# Altium PCB ThereMightBeNoise.PcbDoc (part 1 of 3) (continued)
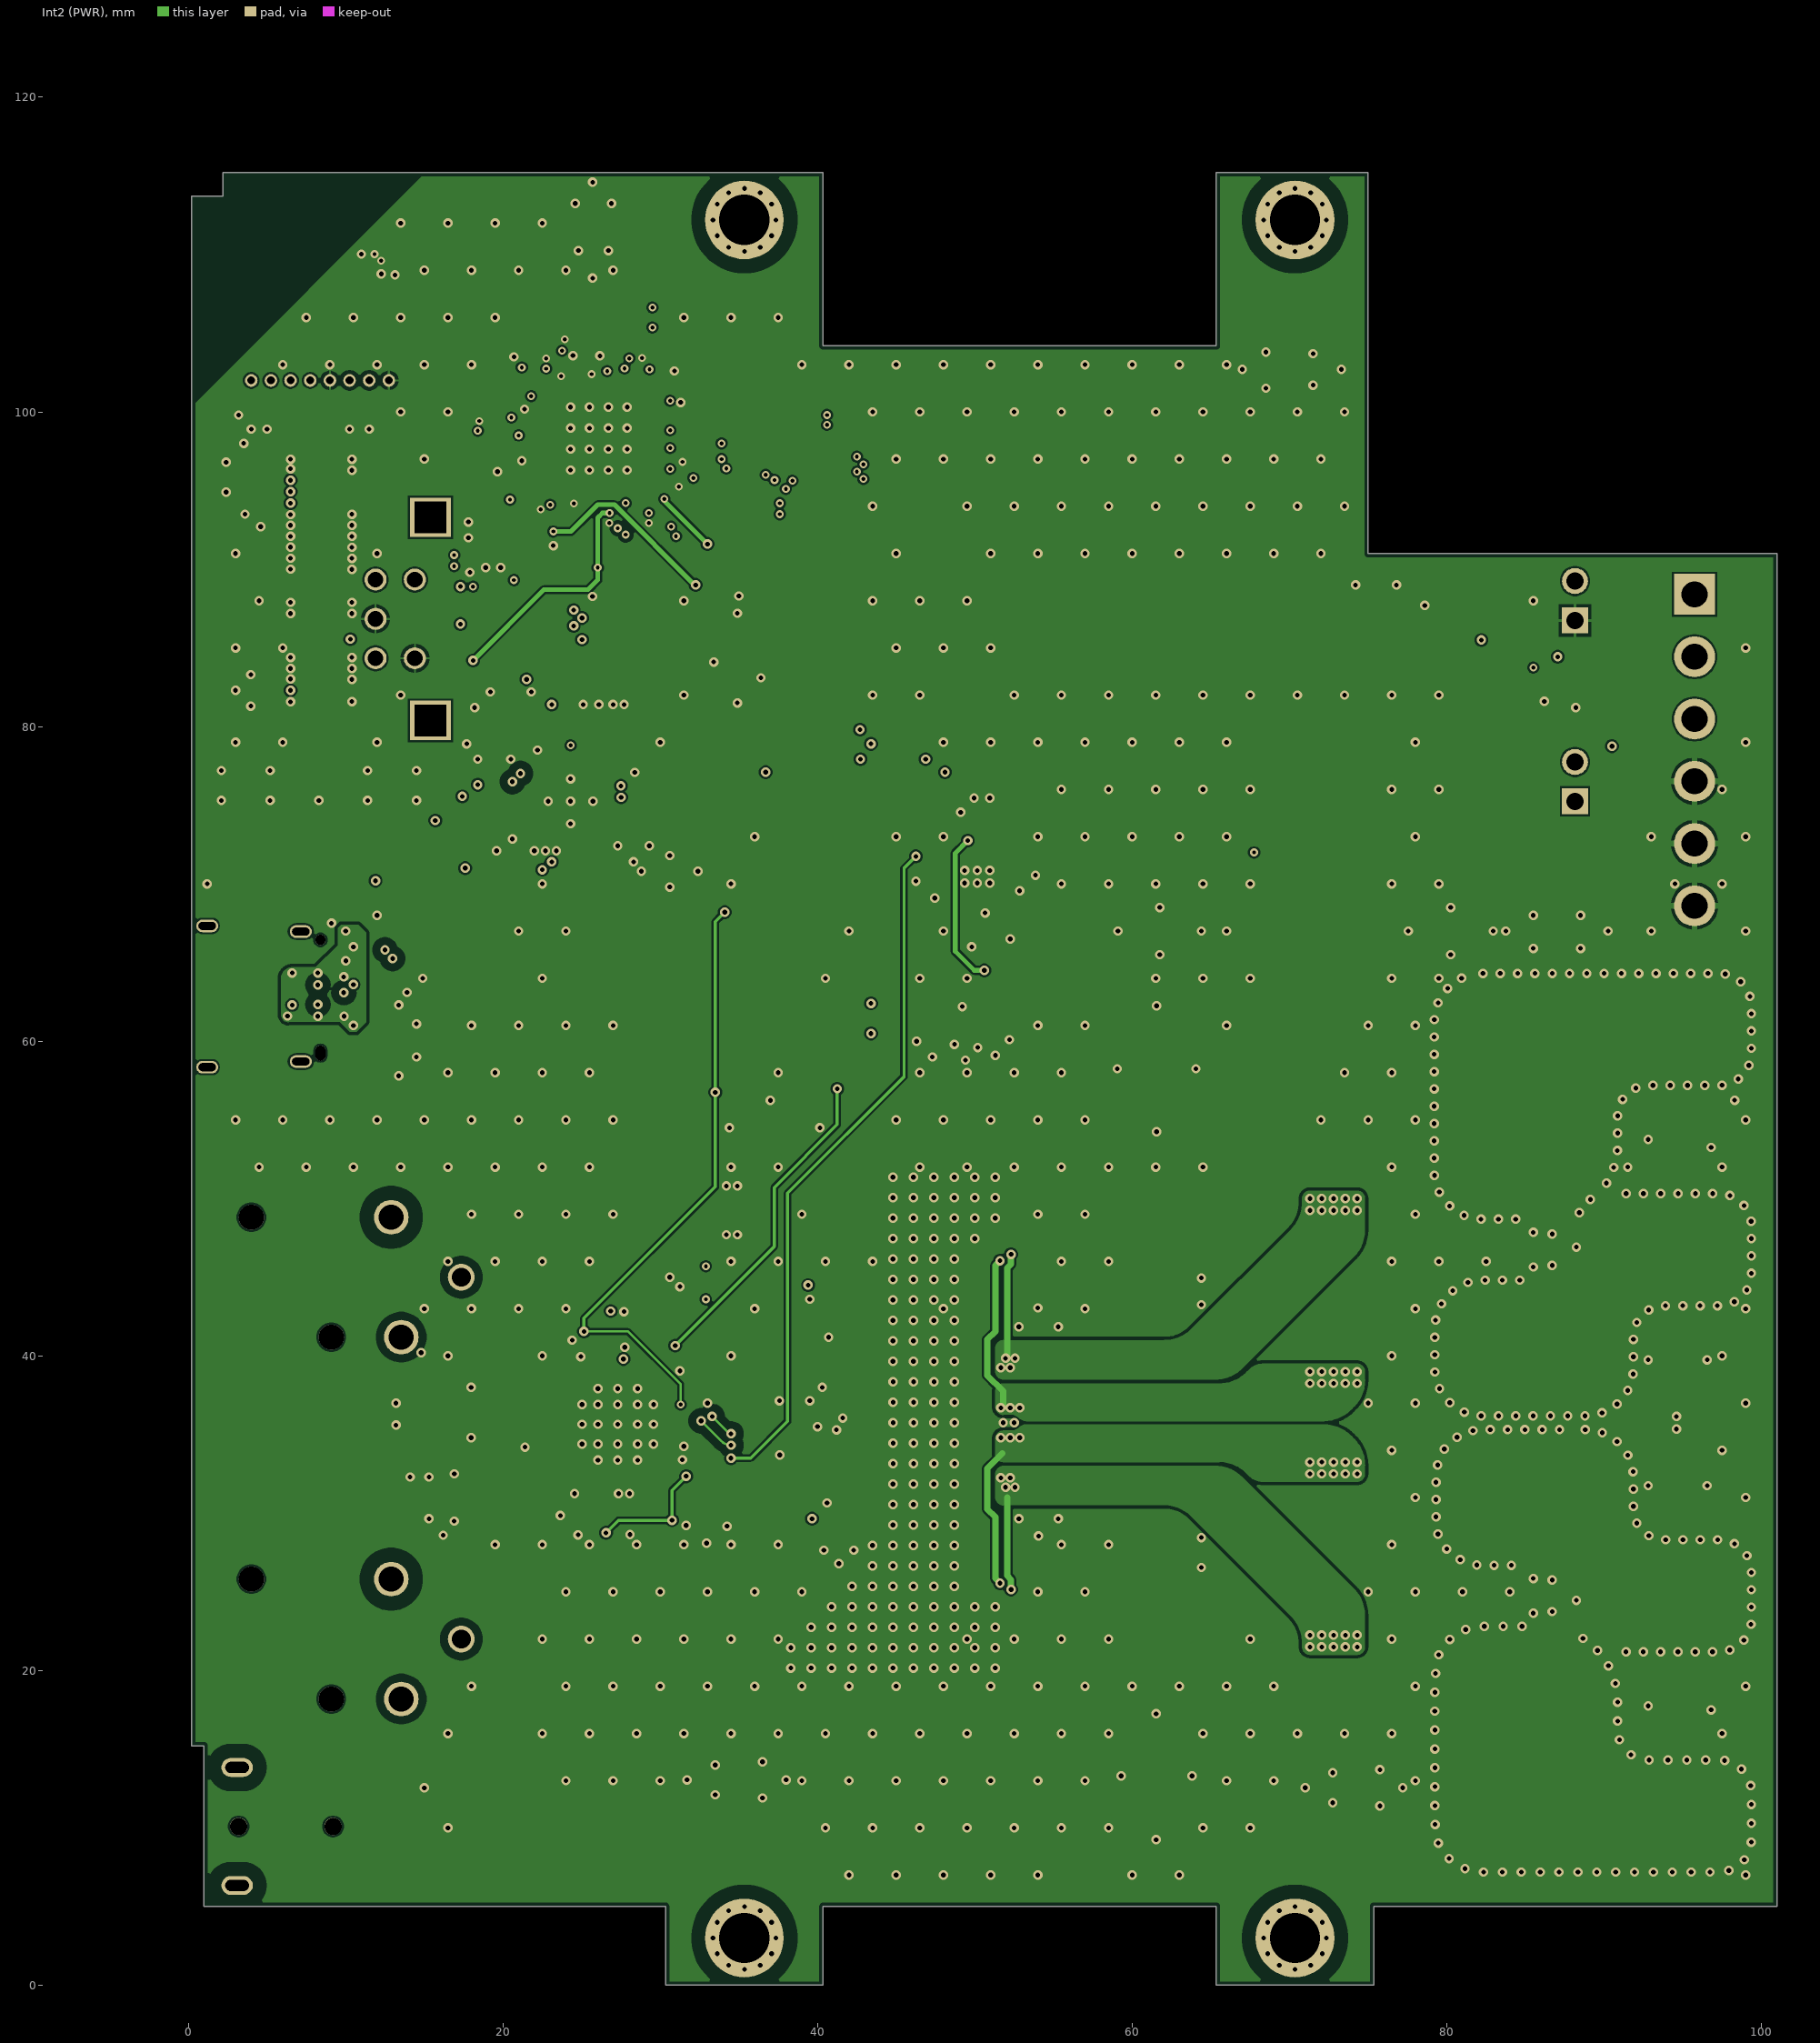
[diagram p3: Int2 (PWR)]
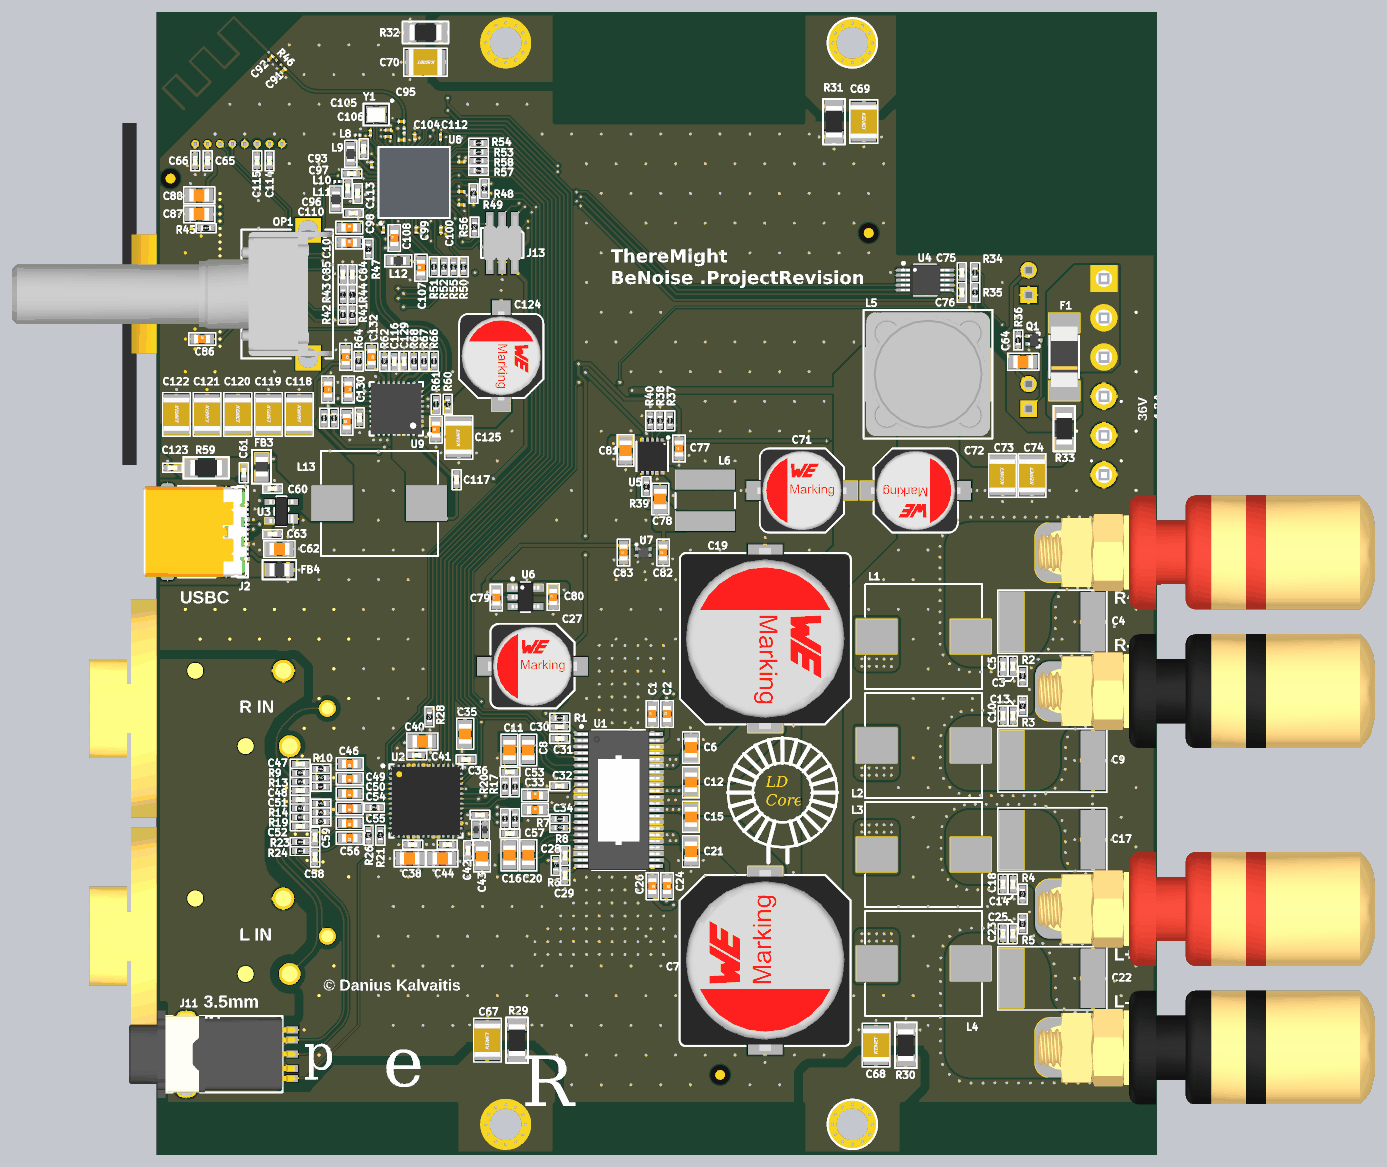
[diagram p6: 3D render of the assembled board from above, using the file's embedded part models]
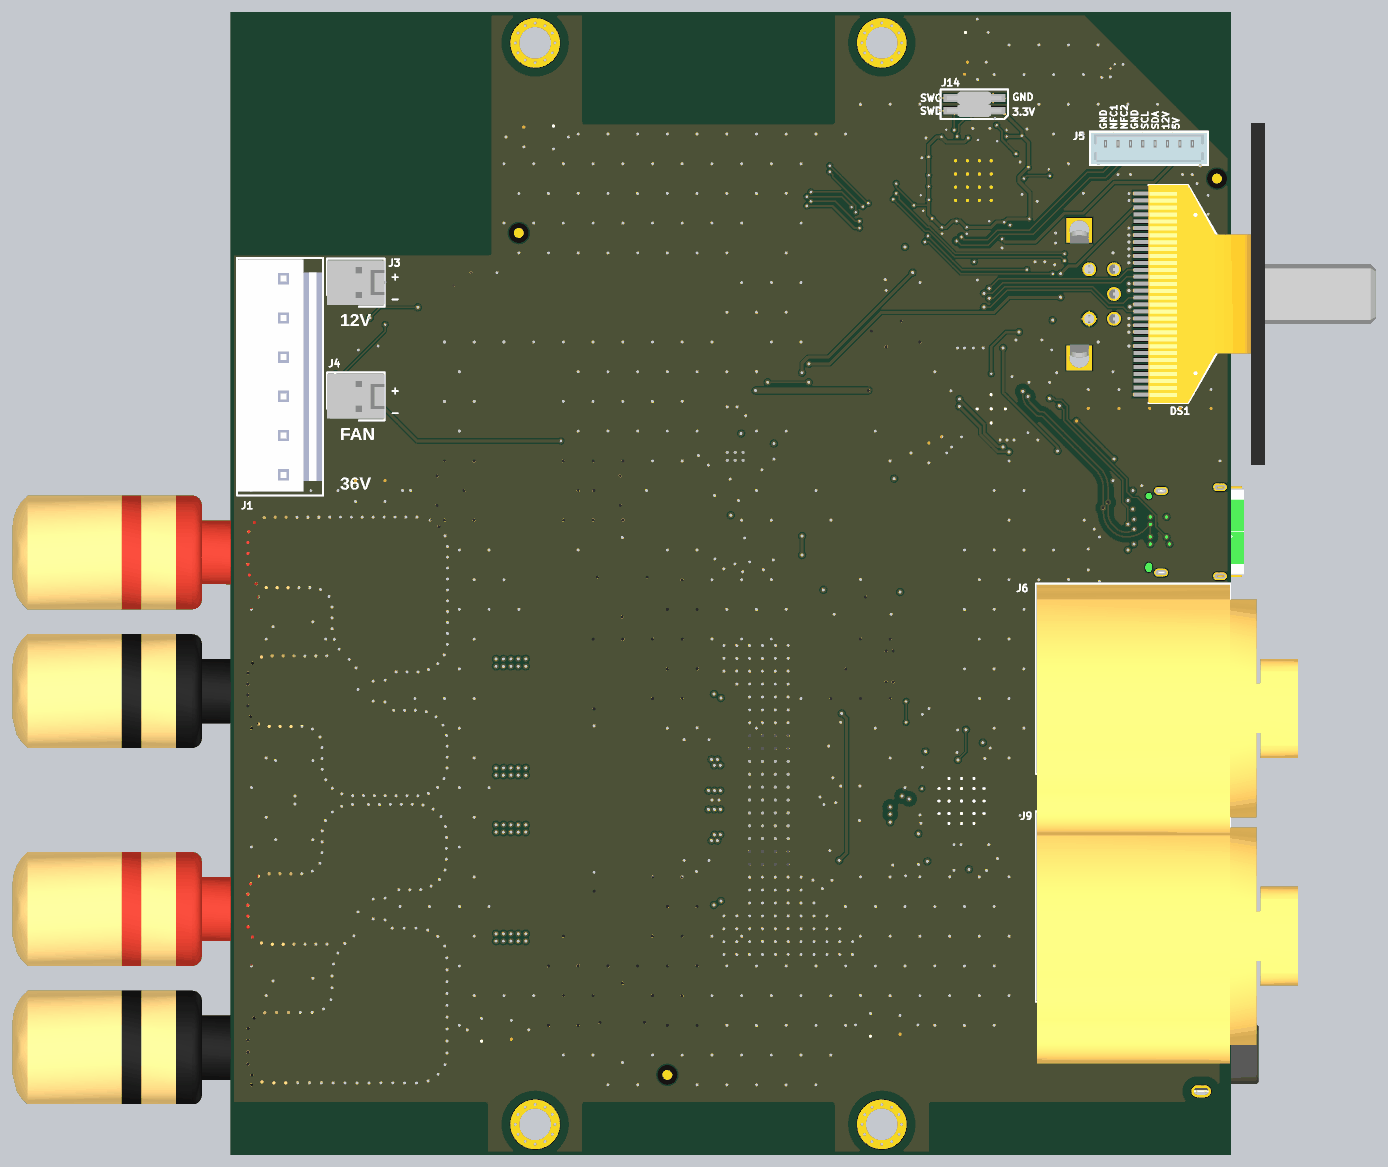
[diagram p7: 3D render of the assembled board from below, using the file's embedded part models]

## Layer stack, top to bottom
Top Solder: solder mask 0.025, SM-001, Dk 4
Top Layer: signal copper 0.018
Dielectric 1-2: prepreg 0.11, PP-017, Dk 4.29
Int1 (GND): signal copper 0.035
Dielectric 2-3: core 0.73, Core-039, Dk 3.96
Int2 (PWR): signal copper 0.035
Dielectric 3-4: prepreg 0.11, PP-017, Dk 4.29
Bottom Layer: signal copper 0.018
Bottom Solder: solder mask 0.025, SM-001, Dk 4

## Board outline
30.35,0 30.35,5 1,5 1,15.2 0.2,15.2 0.2,68.74 0.2,113.7 2.2,113.7 2.2,115.2 40.35,115.2 40.35,104.2 65.35,104.2 65.35,115.2 75,115.2 75,91 101,91 101,5 75.35,5 75.35,0 65.35,0 65.35,5 40.35,5 40.35,0

## Design rules (kind name [scope] priority, off if disabled: settings)
BoardOutlineClearance [All] p1: gap=0.25 ignorepadtopadclearanceinfootprint=FALSE except(0: Arc-SplitContinuation Track-SplitContinuation SMDPad-SplitContinuation THPad-SplitContinuation Via-SplitContinuation Fill-SplitContinuation Poly-SplitContinuation Region-SplitContinuation Text-SplitContinuation)
Clearance Clearance_GND_Chassis [InNetClass('Chassis') vs Not (IsPad And (Not PadIsPlated))] p1: gap=0.9 ignorepadtopadclearanceinfootprint=TRUE except(0.4: Arc-Arc Arc-Track Arc-SMDPad Track-Track Track-SMDPad; 0.5: Arc-THPad Arc-Hole Track-THPad Track-Hole)
Clearance Clearance_Differential [(InDifferentialPairClass('All Differential Pairs'))] p2: gap=0.5 ignorepadtopadclearanceinfootprint=TRUE except(0.09: Arc-Via Track-Via; 0.15: Via-Via; 0.2: Arc-Arc Arc-Track Track-Track; 0.3: Arc-SMDPad Track-SMDPad)
Clearance Clearance_NFC [InNetClass('NFC') vs InNet('GND')] p3: gap=0.25 ignorepadtopadclearanceinfootprint=TRUE except(0.1: Via-Via; 0.125: Arc-Via Track-Via)
Clearance Clearance_RF [InNetClass('RF')] p4: gap=0.15 ignorepadtopadclearanceinfootprint=FALSE
Clearance Clearance_Int_GND [ExistsOnLayer('Int1 (GND)') And IsCopperRegion vs IsKeepOut] p5: gap=0.9 ignorepadtopadclearanceinfootprint=TRUE except(0.4: Arc-Arc Arc-Track Arc-SMDPad Track-Track Track-SMDPad; 0.5: Arc-THPad Arc-Hole Track-THPad Track-Hole)
Clearance Clearance_Digital [(InNetClass('DIGITAL_SIGNALS') OR InNetClass('I2C') OR InNetClass('I2S') OR InNetClass('OLED')) vs (InNetClass('DIGITAL_SIGNALS') OR InNetClass('I2C') OR InNetClass('I2S') OR InNetClass('OLED'))] p6 off: gap=0.3 ignorepadtopadclearanceinfootprint=TRUE except(0.15: Arc-SMDPad Arc-Via Arc-Fill Arc-Poly Arc-Region Arc-Hole Track-SMDPad Track-Via Track-Fill Track-Poly Track-Region Track-Hole SMDPad-Via Via-Via Via-Hole)
Clearance [All] p7: gap=0.127 ignorepadtopadclearanceinfootprint=FALSE except(0.076: Arc-Track Arc-SMDPad Arc-Via Track-Track Track-SMDPad Track-Via; 0.2: Poly-Poly)
DiffPairsRouting [All] p1: maxlimit=0.4 minlimit=0.127 mostfreqgap=0.32 toplayer_minwidth=0.148 toplayer_maxwidth=0.15 toplayer_prefwidth=0.15 midlayer1_minwidth=0.085 midlayer1_maxwidth=0.15 midlayer1_prefwidth=0.15 midlayer2_minwidth=0.085 midlayer2_maxwidth=0.15 midlayer2_prefwidth=0.15 bottomlayer_minwidth=0.148 bottomlayer_maxwidth=0.15 bottomlayer_prefwidth=0.15 maxuncoupledlength=15
Height [All] p1: minheight=0 maxheight=127 prefheight=12.7
HoleSize [All] p1: absolutevalues=TRUE maxlimit=6.5 minlimit=0.25 maxpercent=80.000 minpercent=20.000
HoleToHoleClearance HoleToHoleClearance_Vias [IsVia vs IsVia] p1: gap=0.203 allowstackedmicrovias=FALSE
HoleToHoleClearance [All] p2: gap=0.25 allowstackedmicrovias=FALSE
Length [All] p1: maxlimit=2540 minlimit=0
MaxMinImpedance "Schematic Impedance Constraint" [InNet('D_IN_P')] p1: minimum=80.00 maximum=100.0
MaxMinImpedance "Schematic Impedance Constraint_2" [InNet('D_IN_N')] p2: minimum=80.00 maximum=100.0
MinimumAnnularRing [All] p1: minimumring=0.12
MinimumSolderMaskSliver [All] p1: minsoldermaskwidth=0.114
ParallelSegment ParallelSegment_4 [InNetClass('NFC') vs InNetClass('NFC')] p1: limit=254 gap=0.15
ParallelSegment ParallelSegment_3 [All] p2: limit=5 gap=0.2
ParallelSegment ParallelSegment_2 [All] p3: limit=7 gap=0
ParallelSegment ParallelSegment_1 [All] p4: limit=3 gap=0.15
ParallelSegment [All] p5 off: limit=50 gap=0.28
PlaneClearance [All] p1: clearance=0.178
PolygonConnect PolygonConnect_DirectConnects [HasFootprint('PADS-POGO-4P') Or HasFootprint('PA4342.103NLT') Or (HasFootprint('C2824') And Not InNet('GND')) Or HasFootprint('SMD-PAD-RR6X10') Or HasFootprint('VQFN-48') Or HasFootprint('TSOT-23-6') Or HasFootprint('TDFN-10') Or InPolygonClass('Direct Connect Polygons') Or HasFootprint('12401610E4#2A') And IsRectangularPad] p1: connectstyle=Direct reliefconductorwidth=0.254 reliefentries=4 polygonreliefangle="90 Angle" airgapwidth=0.254
PolygonConnect PolygonConnect_L_PWR [HasFootprint('R0402') Or HasFootprint('C0402')] p2: connectstyle=Relief reliefconductorwidth=0.2 reliefentries=4 polygonreliefangle="90 Angle" airgapwidth=0.2
PolygonConnect PolygonConnect_M_PWR [HasFootprint('C0603') Or HasFootprint('C0805') Or HasFootprint('22-04-1021')] p3: connectstyle=Relief reliefconductorwidth=0.2 reliefentries=4 polygonreliefangle="90 Angle" airgapwidth=0.2
PolygonConnect PolygonConnect_H_PWR [HasFootprint('WURTH-L6.5-D8') Or HasFootprint('PG-TDSON-8') Or HasFootprint('C1210') Or HasFootprint('C2824') Or HasFootprint('Wurth-L17-D16') Or HasFootprint('RMELF0204') Or HasFootprint('C1808') Or HasFootprint('Wurth-L10.5-D8') Or HasFootprint('R1206') Or HasFootprint('B6P-VH')] p4: connectstyle=Relief reliefconductorwidth=0.4 reliefentries=4 polygonreliefangle="90 Angle" airgapwidth=0.2 // High power components connect style
PolygonConnect PolygonConnect_USB [HasFootprint('12401610E4#2A')] p5: connectstyle=Relief reliefconductorwidth=0.15 reliefentries=4 polygonreliefangle="90 Angle" airgapwidth=0.2
PolygonConnect PolygonConnect_XLR [HasFootprint('NC3FAAH1')] p6: connectstyle=Relief reliefconductorwidth=0.3 reliefentries=4 polygonreliefangle="90 Angle" airgapwidth=0.2
PolygonConnect PolygonConnect_ENC [HasFootprint('PEC12R-4x30F-Sxxxx')] p7: connectstyle=Relief reliefconductorwidth=0.2 reliefentries=2 polygonreliefangle="45 Angle" airgapwidth=0.2
PolygonConnect HTSSOP_Custom_Connect [HasFootprint('HTSSOP-44') vs IsNamedPolygon('5V_L01_P046') Or IsNamedPolygon('NETC26_2_L01_P048')] p8: connectstyle=Relief reliefconductorwidth=0.4 reliefentries=2 polygonreliefangle="45 Angle" airgapwidth=0.15
PolygonConnect PolygonConnect_HTSOP [HasFootprint('HTSSOP-44')] p9: connectstyle=Direct reliefconductorwidth=0.4 reliefentries=2 polygonreliefangle="45 Angle" airgapwidth=0.2
PolygonConnect [All] p10: thpad.connectstyle=Relief thpad.reliefconductorwidth=0.15 thpad.reliefentries=4 thpad.polygonreliefangle="90 Angle" thpad.airgapwidth=0.21 smdpad.connectstyle=Relief smdpad.reliefconductorwidth=0.15 smdpad.reliefentries=4 smdpad.polygonreliefangle="90 Angle" smdpad.airgapwidth=0.2 via.connectstyle=Direct via.reliefconductorwidth=0.15 via.reliefentries=4 via.polygonreliefangle="90 Angle" via.airgapwidth=0.21
RoomDefinition USBCharger [InComponentClass('USBCharger')] p1: confinementstyle=ConfineOut formatcopy=TRUE lockcomponents=FALSE outline -87,-25 112,-25 112,-7 -87,-7
RoomDefinition U_nRF5340 [InComponentClass('U_nRF5340')] p2: confinementstyle=ConfineOut formatcopy=TRUE lockcomponents=FALSE outline -87,-43 120,-43 120,-26 -87,-26
RoomDefinition Microcontroller [InComponentClass('Microcontroller')] p3: confinementstyle=ConfineOut formatcopy=TRUE lockcomponents=FALSE outline -87,-97 57,-97 57,-26 -87,-26
RoomDefinition ThereMightBeNoise [InComponentClass('ThereMightBeNoise')] p4: confinementstyle=ConfineOut formatcopy=TRUE lockcomponents=FALSE outline -4.6,-108.2 15.3,-108.2 15.3,-103.3 -4.6,-103.3
RoomDefinition UI [InComponentClass('UI')] p5: confinementstyle=ConfineOut formatcopy=TRUE lockcomponents=FALSE outline -5,-2 91,-2 91,25 -5,25
RoomDefinition Power [InComponentClass('Power')] p6: confinementstyle=ConfineOut formatcopy=TRUE lockcomponents=FALSE outline -5,-17 127,-17 127,-2 -5,-2
RoomDefinition Connectors [InComponentClass('Connectors')] p7: confinementstyle=ConfineOut formatcopy=TRUE lockcomponents=FALSE outline -5,-57 163,-57 163,-26 -5,-26
RoomDefinition Codec [InComponentClass('Codec')] p8: confinementstyle=ConfineOut formatcopy=TRUE lockcomponents=FALSE outline -5,-62 178,-62 178,-50 -5,-50
RoomDefinition Amplifier [InComponentClass('Amplifier')] p9: confinementstyle=ConfineOut formatcopy=TRUE lockcomponents=FALSE outline -5,-104 304,-104 304,-83 -5,-83
RoutingVias [All] p1: holewidth=0.25 width=0.5 viastyle="Through Hole" minholewidth=0.25 minwidth=0.45 maxholewidth=3.2 maxwidth=5
SilkToSilkClearance [All] p1: silktosilkclearance=0.1
SilkToSolderMaskClearance [IsPad] p1: minsilkscreentomaskgap=0 clearancetoexposedcopper=TRUE
SolderMaskExpansion [All] p1: expansion=0.076 istentingtop=FALSE
Width Width_RF [InNetClass('RF')] p1: maxlimit=0.26 minlimit=0.21 preferedwidth=0.21
Width [All] p2: maxlimit=1 minlimit=0.127 preferedwidth=0.2
22 further rules are at their usual default settings.

## Classes and differential pairs
net class Chassis: GND_Chassis0 GND_Chassis1 GND_Chassis2 GND_Chassis3
net class RF: ANT_7 NetC89_2 RF_7
component class USBCharger: C116 C117 C118 C119 C120 C121 C122 C123 C124 C125 C126 C127 C128 C129 C130 C131 C132 C133 L13 R59 R60 R61 R62 R63 R64 R65 R66 R67 R68 U9
component class U_nRF5340: ANT1 C89 C90 C91 C92 C93 C94 C95 C96 C97 C98 C99 C100 C101 C102 C103 C104 C105 C106 C107 C108 C109 C110 C111 C112 C113 L7 L8 L9 L10 L11 L12 R46 R47 U8 Y1
component class ThereMightBeNoise: Fid1 Fid2 Fid3
polygon class "Direct Connect Polygons": 1.8V_CAP 1.8V_LDO_IN 5V_BUCK_L1 5V_BUCK_L2 "36V Top Layer" 36V_UNF 36V_USB_CHARG_IN A3.3V_CAP DRVDD_CODEC FUSE1 FUSE2 USB_CHARG_L_OUT USBC_PWR VBUS
net class NFC: NetJ6_1 NetJ6_3 NetJ6_5 NFC1 NFC2
net class DIGITAL_SIGNALS: AMP_FAULT# AMP_OTW_CLIP# AMP_RST# CODEC_INT PWR_ALERT
net class USB: D_N D_P
net class OLED: CS# D/C# MOSI OLED.SCLK
net class I2S: BCLK DIN DOUT I2S.MCLK I2S.WCLK
net class I2C: I2C.SCL I2C.SDA
net class ENCODER: ENC_A ENC_B ENC_SW#
component class UI: C84 C85 C86 C87 C88 DS1 OP1 R41 R42 R43 R44 R45
component class Power: C71 C72 C73 C74 C75 C76 C77 C78 C79 C80 C81 C82 C83 F1 L5 L6 Q1 R33 R34 R35 R36 R37 R38 R39 R40 U4 U5 U6 U7
component class Connectors: C60 C61 C62 C63 C64 C65 C66 C67 C68 C69 C70 FB3 FB4 J1 J2 J3 J4 J5 J6 J7 J8 J9 J10 J11 J12 P1 P2 P3 P4 R29 R30 R31 R32 U3
component class Codec: C35 C36 C37 C38 C39 C40 C41 C42 C43 C44 C45 C46 C47 C48 C49 C50 C51 C52 C53 C54 C55 C56 C57 C58 C59 FB1 FB2 R9 R10 R11 R12 R13 R14 R15 R16 R17 R18 R19 R20 R21 R22 R23 R24 R25 R26 R27 R28 U2
component class Microcontroller: C114 C115 J13 J14 R48 R49 R50 R51 R52 R53 R54 R55 R56 R57 R58
component class Amplifier: C1 C2 C3 C4 C5 C6 C7 C8 C9 C10 C11 C12 C13 C14 C15 C16 C17 C18 C19 C20 C21 C22 C23 C24 C25 C26 C27 C28 C29 C30 C31 C32 C33 C34 L1 L2 L3 L4 R1 R2 R3 R4 R5 R6 R7 R8 U1
differential pair IN_R_4: +IN_R_4_P -IN_R_4_N
differential pair IN_L_4: +IN_L_4_P -IN_L_4_N
differential pair INR: +INR_P -INR_N
differential pair INL: +INL_P -INL_N
differential pair D: +D_P -D_N
differential pair RIGHTLO_3: +LEFTLO_3_P -LEFTLO_3_N
differential pair LINE1R_3: +LINE1L_3_P -LINE1L_3_N
differential pair LINE1L_3: +LINE1R_3_P -LINE1R_3_N
differential pair LEFTLO_3: +RIGHTLO_3_P -RIGHTLO_3_N
differential pair D_IN: +D_IN_P -D_IN_N

## Components (designator, comment, footprint, x,y, rotation, side; value= is the part's Value field where it differs from the comment)
ANT1 "MIFA_2.4GHz_PCB" MIFA_2.4GHz_PCB2 11.412,111.246 r225 top net-tie
C1 "33n/50V" C0603 50.15,44.45 r90 top
C2 "33n/50V" C0603 51.65,44.45 r90 top
C3 "10n/50V" C0402 86.55,49.25 r90 top
C4 "1u/50V" C2824 90.55,53.75 r180 top
C5 "1n/50V" C0402 85.55,49.25 r90 top
C6 "1u/50V" C0805 54.05,41.05 r90 top
C7 "470uF/50V" Wurth-L17-D16 61.55,19.55 r90 top
C8 "10u/6.3V" C0805 37.625,40.8 r90 top
C9 "1u/50V" C2824 90.55,39.75 r0 top
C10 "1n/50V" C0402 85.55,44.25 r90 top
C11 "10u/6.3V" C0805 35.725,40.8 r90 top
C12 "1u/50V" C0805 54.05,37.55 r90 top
C13 "10n/50V" C0402 86.55,44.25 r90 top
C14 "10n/50V" C0402 86.55,27.25 r90 top
C15 "1u/50V" C0805 54.05,34.05 r90 top
C16 "10u/6.3V" C0805 35.725,30.175 r270 top
C17 "1u/50V" C2824 90.55,31.75 r180 top
C18 "1n/50V" C0402 85.55,27.25 r90 top
C19 "470uF/50V" Wurth-L17-D16 61.55,52.05 r270 top
C20 "10u/6.3V" C0805 37.625,30.175 r270 top
C21 "1u/50V" C0805 54.05,30.55 r90 top
C22 "1u/50V" C2824 90.55,17.75 r0 top
C23 "1n/50V" C0402 85.55,22.25 r90 top
C24 "33n/50V" C0603 51.65,27.05 r270 top
C25 "10n/50V" C0402 86.55,22.25 r90 top
C26 "33n/50V" C0603 50.15,27.05 r270 top
C27 "470uF/16V" Wurth-L10.5-D8 38.05,49.25 r0 top
C28 "100n/25V" C0402 41.35,30.15 r270 top
C29 "100n/25V" C0402 41.35,28.15 r90 top
C30 "100n/25V" C0402 40.8,43.15 r0 top
C31 "100n/25V" C0402 40.8,41.95 r0 top
C32 "10n/50V" C0402 40.8,37.15 r0 top
C33 "1u/16V" C0603 38.3,36.225 r0 top
C34 "1u/16V" C0603 38.3,34.75 r0 top
C35 "10u/6.3V" C0805 31.252,42.432 r270 top
C36 "100n/10V" C0402 31.35,39.85 r180 top
C37 "100n/10V" C0402 25.95,31.25 r0 top
C38 "10u/6.3V" C0805 25.65,29.85 r0 top
C39 "100n/10V" C0402 32.75,34.25 r0 top
C40 "10u/6.3V" C0805 26.934,41.67 r180 top
C41 "100n/10V" C0402 26.359,40.273 r180 top
C42 "100n/10V" C0402 31.55,30.65 r90 top
C43 "10u/6.3V" C0805 32.95,30.075 r90 top
C44 "10u/6.3V" C0805 28.95,29.85 r0 top
C45 "100n/10V" C0402 29.45,31.25 r0 top
C46 "1u/16V" C0603 19.6,39.4 r180 top
C47 "100p/50V" C0402 14.6,39.4 r0 top
C48 "100p/50V" C0402 14.6,36.7 r180 top
C49 "1u/16V" C0603 19.6,37.9 r180 top
C50 "1u/16V" C0603 19.6,36.4 r180 top
C51 "100p/50V" C0402 14.6,35.8 r0 top
C52 "100p/50V" C0402 14.6,33.1 r180 top
C53 "4n7/25V" C0402 35.775,38.6 r0 top
C54 "1u/16V" C0603 19.6,34.9 r180 top
C55 "1u/16V" C0603 19.6,33.4 r180 top
C56 "1u/16V" C0603 19.6,31.9 r180 top
C57 "4n7/25V" C0402 35.775,32.375 r180 top
C58 "100p/50V" C0402 16.1,30 r90 top
C59 "100p/50V" C0402 16.1,32 r270 top
C60 "10n/50V" C0402 11.8,67.2 r180 top
C61 "100n/10V" C0402 8.9,68.8 r90 top
C62 "10u/6.3V" C0805 12.5,61.1 r180 top
C63 "100n/10V" C0402 11.8,62.6 r180 top
C64 "4u7/16V" C0805 87.6,80 r180 top
C65 "100n/10V" C0402 5.25,100.3 r90 top
C66 "100n/10V" C0402 4,100.3 r90 top
C67 "100n/250V" C1210 33.5,11.5 r90 top
C68 "100n/250V" C1210 72.75,11 r90 top
C69 "100n/250V" C1210 71.5,104.25 r270 top
C70 "100n/250V" C1210 27.25,110.25 r180 top
C71 "47uF/50V" WURTH-L6.5-D8 65.25,67 r0 top
C72 "47uF/50V" WURTH-L6.5-D8 76.75,67 r180 top
C73 "4u7/50V" C1210 85.5,68.5 r90 top
C74 "4u7/50V" C1210 88.5,68.5 r90 top
C75 "100n/10V" C0402 81.4,89 r270 top
C76 "100n/10V" C0402 81.4,87 r270 top
C77 "1u/16V" C0603 52.85,71.25 r90 top
C78 "10u/6.3V" C0805 50.95,66.15 r270 top
C79 "1u/16V" C0603 34.4,56.2 r90 top
C80 "1u/16V" C0603 40.15,56.25 r90 top
C81 "4u7/16V" C0805 47.45,71.05 r90 top
C82 "1u/16V" C0603 51.25,60.75 r90 top